# KiCad board IotKnob.kicad_pcb (continued)
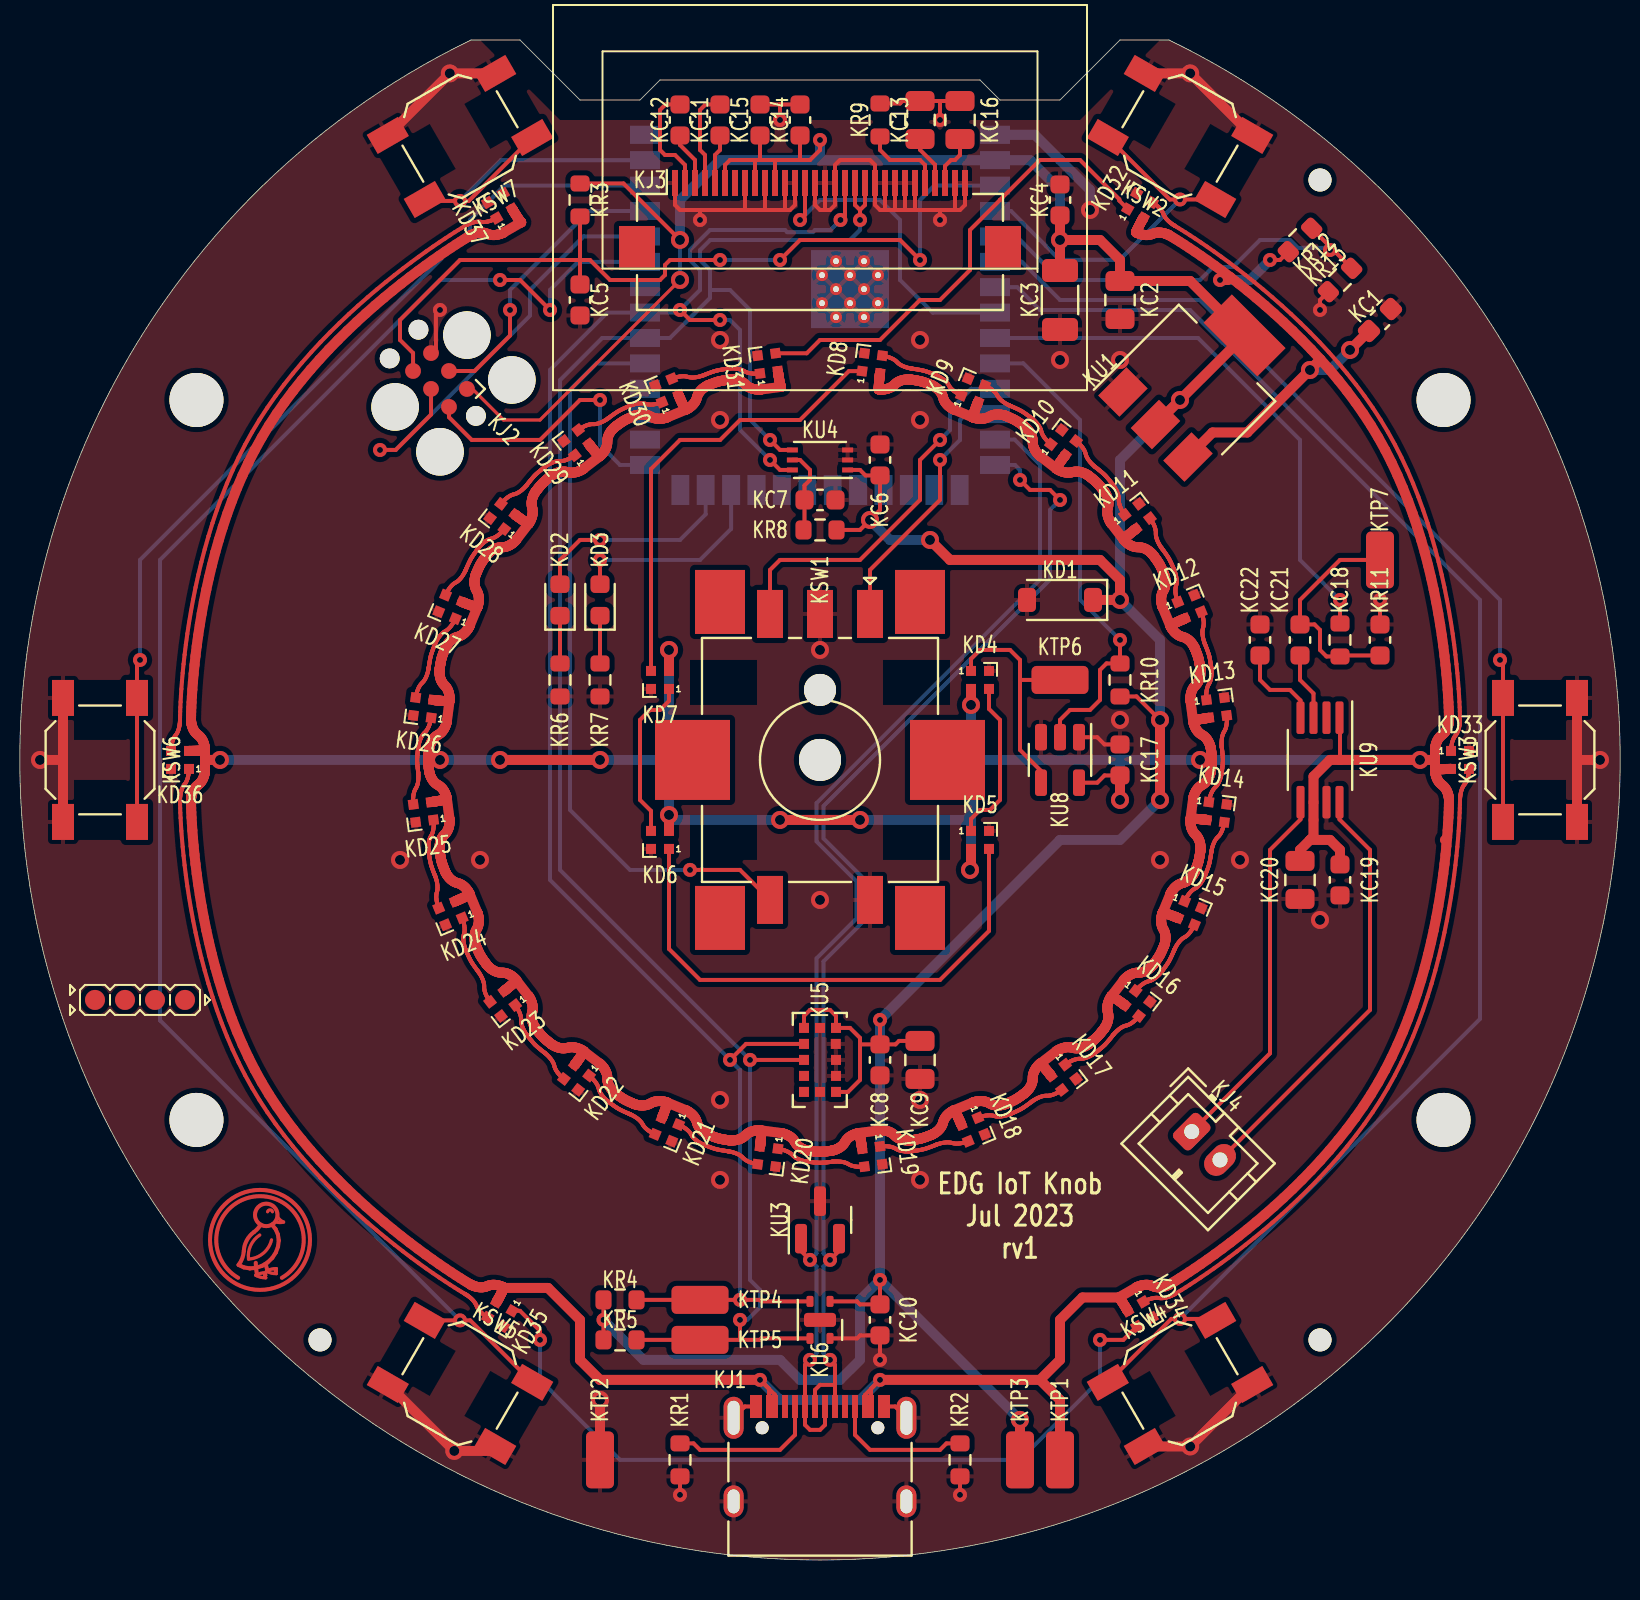
[diagram p0: board, top side]
## Routing (per net, layer and track width the routed paths; a pad name or vN(x,y) marks a point on that pad's centre or on a via; arc(x,y) is an arc through that point) (continued)
rgb_ring.led[11].dout: length 4.3
  Top w0.2: 19.53,19.66 19.5,19.66 19.42,19.66 19.38,19.66 19.35,19.66 19.28,19.67 19.25,19.67 19.21,19.68 19.18,19.69 19.14,19.69 19.11,19.7 19.07,19.71 19.03,19.72 19,19.73 18.97,19.75 18.94,19.76 18.91,19.78 18.88,19.79 18.85,19.81 18.81,19.83 18.75,19.86 18.72,19.87 18.68,19.88 18.65,19.89 18.61,19.9 18.58,19.9 18.54,19.91 18.5,19.92 18.47,19.92 18.43,19.92 18.37,19.93 18.34,19.93 18.25,19.93 18.17,19.92 18.15,19.92 18.13,19.92 18.09,19.92 18.07,19.92 18.07,19.92 18.06,19.91 18.05,19.91 18.03,19.91 18.02,19.91 18,19.91 17.98,19.9 17.94,19.9 17.92,19.9 17.9,19.9 17.85,19.89 17.82,19.89 17.77,19.88 17.74,19.88 17.71,19.88 17.57,19.87 17.5,19.86 17.47,19.86 17.45,19.86 17.43,19.86 17.4,19.86 17.33,19.87 17.19,19.88 17.16,19.88 17.13,19.88 17.08,19.89 17.05,19.89 17,19.9 16.98,19.9 16.96,19.9 16.92,19.9 16.9,19.91 16.88,19.91 16.87,19.91 16.85,19.91 16.84,19.91 16.83,19.92 16.81,19.92 16.77,19.93 16.73,19.93 16.71,19.94 16.66,19.95 16.63,19.96 16.57,19.97 16.54,19.98 16.51,19.99 16.48,20 16.44,20.02 16.41,20.03 16.38,20.04 16.34,20.06 16.31,20.07 16.28,20.09 16.25,20.11 16.22,20.13 16.19,20.15 16.16,20.17 16.13,20.19 16.11,20.22 16.06,20.27 16.03,20.29 16.01,20.31 15.98,20.33 15.95,20.35 15.92,20.37 15.89,20.39 15.85,20.41 15.82,20.42 15.79,20.44 15.76,20.45 15.72,20.47 15.69,20.48 15.66,20.49 15.63,20.5 15.57,20.52 15.54,20.53 15.51,20.53 15.48,20.54
rgb_ring.led[12].dout: length 4.3
  Top w0.2: 10.51,21.71 10.56,21.68 10.61,21.65 10.64,21.64 10.67,21.62 10.7,21.6 10.75,21.56 10.81,21.51 10.84,21.49 10.86,21.46 10.89,21.44 10.91,21.41 10.94,21.39 10.96,21.36 10.98,21.33 11,21.3 11.01,21.27 11.03,21.24 11.05,21.21 11.07,21.18 11.09,21.15 11.12,21.12 11.14,21.1 11.19,21.05 11.22,21.02 11.25,21 11.3,20.96 11.33,20.94 11.36,20.92 11.42,20.88 11.44,20.87 11.49,20.84 11.52,20.83 11.54,20.81 11.56,20.8 11.59,20.79 11.62,20.77 11.64,20.76 11.66,20.76 11.69,20.75 11.7,20.74 11.72,20.73 11.73,20.73 11.75,20.72 11.79,20.7 11.81,20.7 11.84,20.69 11.86,20.68 11.89,20.67 11.91,20.66 11.94,20.65 11.96,20.64 11.99,20.63 12.02,20.62 12.12,20.58 12.14,20.58 12.17,20.57 12.19,20.56 12.22,20.56 12.26,20.54 12.28,20.54 12.31,20.53 12.33,20.53 12.36,20.52 12.38,20.52 12.46,20.5 12.55,20.49 12.57,20.48 12.6,20.48 12.65,20.47 12.68,20.46 12.7,20.46 12.72,20.46 12.76,20.45 12.78,20.45 12.8,20.45 12.83,20.44 12.85,20.44 12.89,20.43 12.93,20.43 12.95,20.42 13.02,20.41 13.05,20.4 13.11,20.38 13.14,20.37 13.2,20.35 13.23,20.34 13.27,20.33 13.33,20.3 13.37,20.28 13.4,20.27 13.43,20.25 13.49,20.21 13.52,20.19 13.55,20.16 13.57,20.14 13.62,20.09 13.64,20.07 13.67,20.04 13.7,20.02 13.76,19.98 13.79,19.96 13.83,19.95 13.86,19.93 13.89,19.92 13.96,19.89 13.99,19.88 14.02,19.87 14.05,19.86 14.11,19.84 14.17,19.82 14.2,19.82
rgb_ring.led[13].dout: length 4.3
  Top w0.2: 6.01,24.13 6.03,24.11 6.05,24.09 6.07,24.07 6.12,24.02 6.16,23.97 6.18,23.95 6.23,23.89 6.25,23.86 6.27,23.83 6.29,23.8 6.31,23.77 6.32,23.74 6.34,23.71 6.35,23.67 6.37,23.64 6.38,23.61 6.38,23.57 6.39,23.54 6.4,23.5 6.41,23.47 6.43,23.44 6.44,23.41 6.46,23.37 6.48,23.34 6.5,23.31 6.54,23.25 6.56,23.22 6.58,23.2 6.63,23.14 6.65,23.12 6.69,23.07 6.73,23.03 6.75,23.02 6.79,22.98 6.81,22.97 6.83,22.95 6.86,22.92 6.88,22.91 6.89,22.9 6.9,22.9 6.91,22.89 6.92,22.88 6.94,22.86 6.95,22.85 6.99,22.83 7.03,22.8 7.05,22.78 7.09,22.75 7.14,22.72 7.16,22.7 7.23,22.66 7.27,22.63 7.3,22.61 7.32,22.6 7.34,22.59 7.36,22.57 7.38,22.56 7.4,22.55 7.42,22.54 7.46,22.52 7.53,22.48 7.56,22.47 7.59,22.46 7.66,22.42 7.71,22.4 7.73,22.39 7.78,22.37 7.8,22.36 7.84,22.34 7.88,22.32 7.89,22.32 7.93,22.3 7.94,22.3 7.97,22.28 8.02,22.26 8.06,22.24 8.08,22.23 8.12,22.21 8.15,22.19 8.2,22.16 8.26,22.12 8.29,22.1 8.32,22.08 8.34,22.06 8.37,22.03 8.4,22.01 8.43,21.99 8.45,21.96 8.48,21.93 8.5,21.91 8.52,21.88 8.54,21.85 8.56,21.82 8.58,21.79 8.59,21.76 8.61,21.73 8.63,21.7 8.66,21.67 8.7,21.62 8.73,21.59 8.76,21.57 8.78,21.54 8.81,21.52 8.84,21.5 8.87,21.48 8.9,21.46 8.95,21.42 9.01,21.39 9.03,21.37 9.08,21.35
rgb_ring.led[14].dout: length 4.3
  Top w0.2: 4.54,24.15 4.5,24.19 4.48,24.21 4.45,24.23 4.43,24.25 4.41,24.28 4.39,24.3 4.34,24.36 4.3,24.42 4.28,24.45 4.24,24.51 4.23,24.54 4.21,24.57 4.2,24.61 4.19,24.64 4.17,24.67 4.16,24.74 4.15,24.77 4.14,24.81 4.12,24.84 4.11,24.87 4.09,24.9 4.05,24.97 4.03,25 3.99,25.05 3.97,25.08 3.92,25.13 3.88,25.18 3.86,25.2 3.84,25.23 3.78,25.28 3.73,25.32 3.71,25.34 3.69,25.36 3.65,25.38 3.63,25.4 3.6,25.43 3.56,25.45 3.53,25.49 3.44,25.55 3.4,25.59 3.38,25.61 3.32,25.66 3.3,25.68 3.28,25.7 3.26,25.71 3.24,25.73 3.22,25.75 3.19,25.78 3.17,25.8 3.16,25.81 3.14,25.83 3.12,25.85 3.1,25.87 3.05,25.94 3.03,25.96 3,26 2.95,26.06 2.93,26.08 2.9,26.12 2.87,26.15 2.85,26.18 2.83,26.21 2.81,26.23 2.8,26.25 2.79,26.26 2.78,26.28 2.75,26.32 2.73,26.34 2.72,26.36 2.71,26.39 2.68,26.44 2.66,26.46 2.65,26.49 2.62,26.55 2.59,26.61 2.58,26.65 2.55,26.72 2.54,26.75 2.53,26.79 2.52,26.82 2.52,26.86 2.51,26.89 2.51,26.93 2.51,26.96 2.51,27.03 2.51,27.07 2.5,27.1 2.5,27.14 2.49,27.17 2.48,27.21 2.46,27.28 2.45,27.31 2.44,27.35 2.43,27.38 2.41,27.41 2.4,27.44 2.37,27.5 2.35,27.53 2.34,27.56 2.31,27.61 2.29,27.63
rgb_ring.led[15].dout: length 4.3
  Top w0.2: 0.87,28.03 0.86,28.06 0.83,28.11 0.81,28.13 0.8,28.16 0.78,28.19 0.77,28.22 0.75,28.25 0.74,28.28 0.73,28.32 0.71,28.35 0.7,28.39 0.68,28.46 0.67,28.49 0.67,28.53 0.66,28.56 0.66,28.6 0.66,28.63 0.66,28.67 0.66,28.7 0.66,28.74 0.66,28.77 0.65,28.81 0.64,28.84 0.64,28.88 0.63,28.91 0.62,28.95 0.6,28.98 0.59,29.01 0.56,29.08 0.55,29.11 0.53,29.14 0.5,29.2 0.49,29.23 0.46,29.28 0.43,29.32 0.42,29.34 0.41,29.36 0.4,29.37 0.38,29.4 0.37,29.42 0.35,29.43 0.35,29.44 0.34,29.45 0.33,29.47 0.32,29.48 0.31,29.49 0.3,29.51 0.27,29.54 0.24,29.58 0.23,29.6 0.2,29.65 0.16,29.69 0.15,29.72 0.1,29.78 0.07,29.83 0.06,29.85 0.04,29.87 0.03,29.89 0.02,29.92 0.01,29.93 -0.01,29.95 -0.02,29.98 -0.04,30.02 -0.08,30.09 -0.09,30.12 -0.1,30.14 -0.14,30.22 -0.16,30.27 -0.17,30.29 -0.19,30.34 -0.2,30.36 -0.22,30.4 -0.23,30.43 -0.24,30.45 -0.25,30.49 -0.26,30.5 -0.27,30.52 -0.27,30.53 -0.28,30.56 -0.3,30.59 -0.32,30.67 -0.32,30.69 -0.33,30.72 -0.34,30.75 -0.35,30.78 -0.35,30.81 -0.37,30.88 -0.38,30.95 -0.38,30.99 -0.38,31.06 -0.38,31.1 -0.38,31.13 -0.38,31.17 -0.37,31.2 -0.37,31.24 -0.36,31.27 -0.35,31.31 -0.34,31.34 -0.33,31.37 -0.33,31.41 -0.32,31.45 -0.32,31.48 -0.32,31.52 -0.32,31.55 -0.32,31.59 -0.33,31.66 -0.34,31.73 -0.34,31.77 -0.35,31.8 -0.36,31.86 -0.37,31.89 -0.38,31.92 -0.38,31.95 -0.39,31.97
rgb_ring.led[16].dout: length 4.3
  Top w0.2: -1.66,32.73 -1.67,32.76 -1.68,32.78 -1.69,32.81 -1.69,32.84 -1.7,32.87 -1.71,32.91 -1.72,32.97 -1.73,33.04 -1.73,33.12 -1.74,33.15 -1.74,33.19 -1.73,33.22 -1.73,33.26 -1.73,33.3 -1.72,33.33 -1.71,33.37 -1.7,33.4 -1.69,33.43 -1.69,33.47 -1.68,33.5 -1.68,33.54 -1.67,33.61 -1.67,33.64 -1.68,33.72 -1.68,33.79 -1.69,33.82 -1.69,33.86 -1.7,33.89 -1.71,33.92 -1.72,33.95 -1.72,33.98 -1.73,34.01 -1.74,34.04 -1.75,34.07 -1.76,34.11 -1.77,34.13 -1.78,34.16 -1.79,34.19 -1.8,34.21 -1.81,34.24 -1.81,34.26 -1.82,34.27 -1.83,34.29 -1.84,34.31 -1.85,34.35 -1.86,34.37 -1.87,34.39 -1.88,34.42 -1.89,34.44 -1.9,34.47 -1.91,34.49 -1.92,34.52 -1.93,34.54 -1.94,34.57 -1.97,34.68 -1.98,34.7 -1.99,34.72 -1.99,34.75 -2,34.77 -2.01,34.81 -2.02,34.84 -2.02,34.86 -2.03,34.89 -2.03,34.91 -2.04,34.94 -2.06,35.02 -2.07,35.1 -2.08,35.13 -2.08,35.16 -2.09,35.21 -2.09,35.23 -2.09,35.26 -2.1,35.28 -2.11,35.32 -2.11,35.34 -2.11,35.35 -2.11,35.38 -2.12,35.41 -2.12,35.43 -2.12,35.45 -2.12,35.47 -2.12,35.49 -2.13,35.58 -2.13,35.67 -2.13,35.7 -2.12,35.77 -2.12,35.84 -2.11,35.87 -2.11,35.91 -2.1,35.95 -2.09,35.98 -2.08,36.02 -2.06,36.08 -2.05,36.12 -2.03,36.15 -2.01,36.18 -2,36.21 -1.98,36.24 -1.96,36.27 -1.95,36.3 -1.93,36.34 -1.92,36.37 -1.9,36.44 -1.89,36.48 -1.89,36.51 -1.88,36.55 -1.87,36.62 -1.87,36.65 -1.86,36.72 -1.86,36.75 -1.86,36.84 -1.86,36.87
rgb_ring.led[17].dout: length 4.3
  Top w0.2: -2.02,41.97 -2.02,41.95 -2.03,41.92 -2.04,41.89 -2.06,41.83 -2.07,41.8 -2.08,41.77 -2.09,41.73 -2.1,41.7 -2.12,41.67 -2.13,41.64 -2.15,41.6 -2.16,41.57 -2.18,41.54 -2.2,41.51 -2.22,41.48 -2.24,41.45 -2.27,41.42 -2.29,41.4 -2.34,41.35 -2.36,41.32 -2.39,41.3 -2.41,41.27 -2.43,41.24 -2.45,41.21 -2.47,41.18 -2.48,41.14 -2.5,41.11 -2.51,41.08 -2.53,41.05 -2.54,41.01 -2.55,40.98 -2.56,40.95 -2.57,40.92 -2.58,40.89 -2.6,40.83 -2.61,40.8 -2.62,40.75 -2.63,40.71 -2.63,40.67 -2.64,40.64 -2.64,40.62 -2.64,40.61 -2.64,40.6 -2.65,40.59 -2.65,40.58 -2.65,40.56 -2.65,40.54 -2.66,40.5 -2.66,40.48 -2.66,40.45 -2.67,40.4 -2.67,40.38 -2.67,40.32 -2.68,40.3 -2.68,40.27 -2.69,40.13 -2.69,40.05 -2.69,40.03 -2.69,40.01 -2.69,39.98 -2.69,39.96 -2.69,39.88 -2.68,39.75 -2.68,39.72 -2.67,39.69 -2.67,39.64 -2.67,39.61 -2.66,39.56 -2.66,39.54 -2.66,39.51 -2.65,39.47 -2.65,39.45 -2.65,39.44 -2.65,39.42 -2.64,39.41 -2.64,39.4 -2.64,39.39 -2.64,39.35 -2.63,39.32 -2.63,39.31 -2.63,39.24 -2.63,39.21 -2.63,39.12 -2.63,39.09 -2.63,39.02 -2.64,38.99 -2.64,38.95 -2.65,38.92 -2.65,38.88 -2.66,38.85 -2.67,38.81 -2.68,38.78 -2.69,38.74 -2.7,38.71 -2.73,38.64 -2.74,38.61 -2.76,38.58 -2.78,38.55 -2.8,38.52 -2.81,38.49 -2.82,38.46 -2.84,38.42 -2.85,38.39 -2.86,38.35 -2.86,38.32 -2.87,38.28 -2.88,38.25 -2.88,38.21 -2.89,38.17 -2.89,38.11 -2.89,38.07 -2.89,38.04 -2.89,37.95 -2.89,37.93
rgb_ring.led[18].dout: length 4.3
  Top w0.2: -0.85,46.94 -0.87,46.9 -0.9,46.84 -0.92,46.82 -0.94,46.79 -0.96,46.76 -1,46.7 -1.04,46.65 -1.07,46.62 -1.09,46.59 -1.12,46.57 -1.14,46.54 -1.17,46.52 -1.2,46.5 -1.23,46.48 -1.26,46.46 -1.29,46.44 -1.32,46.43 -1.35,46.41 -1.38,46.39 -1.41,46.36 -1.43,46.34 -1.46,46.32 -1.51,46.26 -1.53,46.24 -1.56,46.21 -1.6,46.15 -1.62,46.12 -1.64,46.1 -1.67,46.04 -1.69,46.01 -1.72,45.96 -1.73,45.94 -1.74,45.92 -1.75,45.9 -1.77,45.86 -1.78,45.84 -1.79,45.81 -1.8,45.79 -1.81,45.77 -1.81,45.76 -1.82,45.74 -1.83,45.72 -1.84,45.71 -1.85,45.67 -1.86,45.64 -1.87,45.62 -1.88,45.6 -1.89,45.57 -1.9,45.55 -1.91,45.52 -1.92,45.49 -1.93,45.47 -1.94,45.44 -1.97,45.34 -1.98,45.31 -1.99,45.29 -1.99,45.26 -2,45.24 -2.01,45.2 -2.02,45.18 -2.02,45.15 -2.03,45.13 -2.03,45.1 -2.04,45.07 -2.06,44.99 -2.07,44.91 -2.08,44.88 -2.08,44.86 -2.09,44.8 -2.09,44.78 -2.09,44.76 -2.1,44.73 -2.11,44.69 -2.11,44.68 -2.11,44.66 -2.11,44.63 -2.12,44.61 -2.12,44.56 -2.13,44.53 -2.13,44.51 -2.15,44.43 -2.16,44.41 -2.17,44.35 -2.18,44.32 -2.2,44.25 -2.22,44.22 -2.23,44.19 -2.26,44.12 -2.27,44.09 -2.29,44.06 -2.31,44.03 -2.35,43.97 -2.37,43.94 -2.39,43.91 -2.42,43.88 -2.47,43.84 -2.49,43.81 -2.51,43.78 -2.53,43.76 -2.58,43.7 -2.59,43.66 -2.61,43.63 -2.63,43.6 -2.64,43.57 -2.67,43.5 -2.68,43.47 -2.69,43.44 -2.7,43.4 -2.72,43.34 -2.73,43.29 -2.74,43.26
rgb_ring.led[19].dout: length 4.3
  Top w0.2: -1.21,48.38 -1.18,48.42 -1.17,48.45 -1.13,48.5 -1.1,48.56 -1.08,48.59 -1.06,48.62 -1.03,48.64 -1.01,48.67 -0.99,48.7 -0.96,48.73 -0.94,48.75 -0.88,48.8 -0.86,48.82 -0.83,48.84 -0.8,48.86 -0.77,48.88 -0.74,48.89 -0.71,48.91 -0.68,48.93 -0.65,48.96 -0.62,48.98 -0.6,49 -0.57,49.03 -0.55,49.06 -0.52,49.08 -0.5,49.11 -0.48,49.14 -0.46,49.17 -0.42,49.22 -0.4,49.25 -0.37,49.31 -0.35,49.33 -0.32,49.38 -0.31,49.4 -0.29,49.44 -0.28,49.47 -0.27,49.48 -0.26,49.51 -0.25,49.53 -0.24,49.56 -0.23,49.58 -0.22,49.61 -0.2,49.65 -0.19,49.68 -0.17,49.72 -0.16,49.75 -0.14,49.8 -0.1,49.87 -0.09,49.9 -0.08,49.92 -0.04,49.99 -0.02,50.04 -0.01,50.06 0.01,50.08 0.02,50.1 0.03,50.12 0.04,50.14 0.06,50.16 0.1,50.23 0.15,50.3 0.16,50.32 0.2,50.36 0.23,50.41 0.24,50.43 0.27,50.47 0.3,50.5 0.31,50.52 0.32,50.53 0.33,50.55 0.34,50.56 0.35,50.57 0.36,50.59 0.37,50.61 0.39,50.63 0.41,50.65 0.43,50.67 0.46,50.7 0.48,50.72 0.52,50.76 0.56,50.81 0.59,50.83 0.64,50.87 0.67,50.9 0.7,50.92 0.76,50.96 0.79,50.98 0.82,51 0.85,51.01 0.88,51.03 0.92,51.04 0.95,51.05 0.98,51.06 1.02,51.07 1.05,51.08 1.08,51.09 1.12,51.1 1.15,51.12 1.18,51.13 1.21,51.15 1.25,51.17 1.28,51.19 1.31,51.21 1.34,51.23 1.39,51.27 1.42,51.29 1.47,51.34 1.51,51.38 1.53,51.4 1.55,51.42 1.57,51.44
rgb_ring.led[20].dout: length 4.3
  Top w0.2: 1.59,52.92 1.63,52.96 1.65,52.98 1.67,53 1.7,53.02 1.72,53.05 1.75,53.07 1.8,53.11 1.86,53.16 1.89,53.18 1.95,53.21 1.98,53.23 2.02,53.25 2.05,53.26 2.08,53.27 2.12,53.28 2.18,53.3 2.22,53.31 2.25,53.32 2.28,53.34 2.32,53.35 2.35,53.37 2.41,53.41 2.44,53.43 2.5,53.47 2.53,53.49 2.58,53.53 2.63,53.58 2.65,53.6 2.67,53.62 2.72,53.68 2.77,53.73 2.78,53.75 2.8,53.77 2.83,53.8 2.85,53.83 2.87,53.86 2.9,53.89 2.93,53.93 3,54.01 3.03,54.06 3.05,54.08 3.1,54.14 3.12,54.16 3.14,54.18 3.16,54.2 3.17,54.22 3.19,54.23 3.22,54.27 3.24,54.28 3.26,54.3 3.28,54.32 3.3,54.33 3.32,54.35 3.38,54.41 3.4,54.42 3.44,54.46 3.51,54.51 3.53,54.53 3.56,54.56 3.6,54.59 3.63,54.61 3.65,54.63 3.67,54.64 3.69,54.66 3.7,54.66 3.72,54.68 3.77,54.71 3.78,54.72 3.81,54.74 3.83,54.75 3.88,54.78 3.91,54.79 3.93,54.81 3.99,54.84 4.06,54.87 4.09,54.88 4.16,54.91 4.19,54.92 4.23,54.93 4.26,54.93 4.3,54.94 4.34,54.95 4.37,54.95 4.41,54.95 4.48,54.95 4.51,54.95 4.55,54.95 4.58,54.96 4.62,54.96 4.65,54.97 4.72,54.99 4.76,55 4.79,55.02 4.82,55.03 4.85,55.04 4.89,55.06 4.95,55.09 4.97,55.1 5,55.12 5.05,55.15 5.07,55.16
rgb_ring.led[21].dout: length 4.3
  Top w0.2: 5.48,56.58 5.5,56.6 5.55,56.63 5.58,56.64 5.6,56.66 5.63,56.67 5.66,56.69 5.7,56.7 5.73,56.72 5.76,56.73 5.8,56.74 5.83,56.75 5.9,56.77 5.93,56.78 5.97,56.79 6.01,56.79 6.04,56.8 6.08,56.8 6.11,56.8 6.14,56.8 6.18,56.8 6.22,56.8 6.25,56.81 6.28,56.81 6.32,56.82 6.36,56.83 6.39,56.84 6.42,56.85 6.46,56.87 6.52,56.89 6.56,56.91 6.59,56.92 6.64,56.95 6.67,56.97 6.72,57 6.76,57.02 6.78,57.04 6.8,57.05 6.82,57.06 6.84,57.08 6.86,57.09 6.88,57.1 6.89,57.11 6.9,57.12 6.91,57.13 6.92,57.14 6.94,57.15 6.95,57.16 6.99,57.19 7.03,57.21 7.05,57.23 7.09,57.26 7.14,57.29 7.16,57.31 7.23,57.36 7.27,57.39 7.3,57.4 7.32,57.41 7.34,57.43 7.36,57.44 7.38,57.45 7.4,57.46 7.42,57.47 7.46,57.5 7.53,57.53 7.56,57.55 7.59,57.56 7.66,57.59 7.71,57.62 7.73,57.63 7.78,57.65 7.8,57.66 7.84,57.67 7.88,57.69 7.89,57.7 7.93,57.71 7.94,57.72 7.96,57.72 7.97,57.73 8,57.74 8.04,57.75 8.11,57.77 8.14,57.78 8.17,57.79 8.2,57.8 8.23,57.8 8.26,57.81 8.33,57.82 8.4,57.83 8.43,57.84 8.5,57.84 8.54,57.84 8.58,57.84 8.61,57.84 8.65,57.83 8.68,57.82 8.72,57.82 8.75,57.81 8.78,57.8 8.82,57.79 8.85,57.78 8.89,57.78 8.92,57.78 8.96,57.78 9,57.78 9.03,57.78 9.11,57.78 9.17,57.79 9.21,57.8 9.24,57.8 9.31,57.82 9.34,57.83 9.37,57.83 9.39,57.84 9.42,57.85
rgb_ring.led[22].dout: length 4.3
  Top w0.2: 10.17,59.12 10.2,59.13 10.23,59.13 10.26,59.14 10.29,59.15 10.32,59.16 10.35,59.16 10.42,59.18 10.49,59.19 10.56,59.19 10.6,59.19 10.63,59.19 10.67,59.19 10.7,59.19 10.74,59.18 10.77,59.18 10.81,59.17 10.84,59.16 10.88,59.15 10.91,59.14 10.95,59.14 10.98,59.13 11.05,59.13 11.09,59.13 11.16,59.13 11.23,59.14 11.27,59.15 11.3,59.15 11.33,59.16 11.37,59.16 11.4,59.17 11.43,59.18 11.46,59.19 11.48,59.2 11.51,59.2 11.56,59.22 11.58,59.22 11.61,59.24 11.63,59.24 11.66,59.25 11.69,59.27 11.7,59.27 11.72,59.28 11.73,59.28 11.75,59.29 11.79,59.31 11.81,59.32 11.84,59.33 11.86,59.34 11.89,59.34 11.91,59.35 11.94,59.36 11.96,59.37 11.99,59.38 12.02,59.39 12.12,59.43 12.14,59.44 12.17,59.44 12.19,59.45 12.22,59.46 12.26,59.47 12.28,59.48 12.31,59.48 12.33,59.49 12.36,59.49 12.38,59.5 12.46,59.51 12.55,59.53 12.57,59.53 12.6,59.54 12.65,59.54 12.68,59.55 12.7,59.55 12.72,59.56 12.76,59.56 12.78,59.56 12.8,59.57 12.83,59.57 12.85,59.57 12.87,59.58 12.89,59.58 12.91,59.58 12.93,59.58 13.03,59.59 13.11,59.59 13.15,59.58 13.21,59.58 13.28,59.57 13.32,59.57 13.35,59.56 13.39,59.55 13.42,59.55 13.46,59.54 13.53,59.52 13.56,59.5 13.59,59.49 13.62,59.47 13.65,59.45 13.68,59.43 13.72,59.42 13.75,59.4 13.78,59.39 13.81,59.38 13.88,59.36 13.92,59.35 13.95,59.34 13.99,59.34 14.06,59.33 14.09,59.32 14.16,59.32 14.19,59.32 14.28,59.32 14.31,59.32
rgb_shift.output: length 12
  Top w0.2: KTP6.1 27.45,44.01 ; 27.45,44.01 27.45,40.51 28.5,39.46 KU8.4 ; 27.45,44.01 27.45,45.01 26.95,45.51 25.45,45.51 25,45.06 KD4.1
rgb_sw.led[0].dout: length 33
  Top w0.2: 49.01,40.6 49.01,40.65 49.02,40.68 49.03,40.75 49.03,40.78 49.04,40.81 49.05,40.84 49.06,40.88 49.08,40.95 49.09,40.98 49.1,41.02 49.11,41.05 49.13,41.08 49.15,41.11 49.16,41.15 49.18,41.18 49.2,41.2 49.25,41.26 49.27,41.29 49.29,41.32 49.3,41.35 49.32,41.38 49.33,41.41 49.35,41.45 49.36,41.48 49.37,41.52 49.39,41.58 49.4,41.62 49.41,41.65 49.42,41.69 49.42,41.72 49.43,41.78 49.44,41.81 49.44,41.86 49.45,41.91 49.45,41.97 49.45,41.98 49.45,42.01 49.45,42.03 49.45,42.11 49.45,42.24 49.44,42.42 49.43,42.64 49.42,42.9 49.4,43.21 49.38,43.56 49.35,43.94 49.32,44.35 49.27,44.8 49.22,45.28 49.16,45.78 49.08,46.31 49,46.86 48.9,47.44 48.79,48.03 48.67,48.64 48.54,49.26 48.38,49.9 48.21,50.54 48.03,51.19 47.83,51.85 47.61,52.51 47.36,53.17 47.11,53.83 46.82,54.48 46.52,55.13 46.2,55.77 45.85,56.4 45.48,57.02 45.08,57.62 44.67,58.21 44.25,58.78 43.81,59.33 43.36,59.87 42.89,60.39 42.43,60.9 41.95,61.38 41.48,61.85 41.01,62.3 40.54,62.73 40.07,63.14 39.61,63.53 39.16,63.9 38.73,64.25 38.3,64.58 37.9,64.88 37.51,65.17 37.15,65.43 36.81,65.67 36.49,65.89 36.2,66.08 35.95,66.25 35.72,66.39 35.53,66.51 35.27,66.67 35.2,66.71 35.18,66.72 35.16,66.73 35.12,66.76 35.06,66.8 35.04,66.81 35.02,66.83 35,66.85 34.97,66.87 34.92,66.91 34.89,66.93 34.87,66.96 34.82,67.01 34.8,67.03 34.75,67.09 34.73,67.12 34.7,67.15 34.69,67.18 34.67,67.21 34.65,67.24 34.64,67.27 34.62,67.3 34.61,67.33 34.6,67.37 34.58,67.4 34.56,67.43 34.54,67.46 34.52,67.49 34.5,67.52 34.48,67.54 34.45,67.57 34.4,67.62 34.38,67.65 34.35,67.67 34.3,67.72 34.23,67.77 34.2,67.79 34.18,67.81
rgb_sw.led[1].dout: length 33
  Top w0.2: 33.74,12.97 33.77,12.98 33.79,12.99 33.82,13.01 33.85,13.02 33.88,13.03 33.91,13.04 33.94,13.05 33.98,13.06 34.01,13.07 34.04,13.08 34.08,13.09 34.11,13.09 34.15,13.1 34.19,13.11 34.22,13.11 34.26,13.11 34.29,13.11 34.33,13.11 34.36,13.11 34.4,13.1 34.43,13.1 34.47,13.09 34.5,13.09 34.54,13.09 34.58,13.09 34.61,13.1 34.65,13.1 34.68,13.11 34.72,13.11 34.75,13.12 34.79,13.13 34.82,13.14 34.86,13.15 34.89,13.16 34.92,13.17 34.95,13.18 35,13.21 35.03,13.22 35.06,13.23 35.08,13.24 35.12,13.26 35.16,13.28 35.18,13.29 35.18,13.29 35.2,13.31 35.27,13.35 35.53,13.51 35.72,13.62 35.95,13.77 36.2,13.94 36.49,14.13 36.81,14.34 37.15,14.58 37.51,14.84 37.9,15.13 38.3,15.43 38.73,15.76 39.16,16.11 39.61,16.48 40.07,16.87 40.54,17.28 41.01,17.71 41.48,18.16 41.95,18.63 42.43,19.12 42.89,19.62 43.36,20.14 43.81,20.68 44.25,21.24 44.67,21.81 45.08,22.39 45.48,22.99 45.85,23.61 46.2,24.24 46.52,24.88 46.82,25.53 47.11,26.19 47.36,26.84 47.61,27.5 47.83,28.16 48.03,28.82 48.21,29.47 48.38,30.12 48.54,30.75 48.67,31.37 48.79,31.98 48.9,32.58 49,33.15 49.08,33.7 49.16,34.23 49.22,34.74 49.27,35.21 49.32,35.66 49.35,36.08 49.38,36.46 49.4,36.8 49.42,37.11 49.43,37.37 49.44,37.6 49.45,37.77 49.45,37.9 49.45,37.98 49.45,38.02 49.45,38.03 49.45,38.05 49.45,38.1 49.46,38.15 49.46,38.2 49.47,38.23 49.48,38.3 49.48,38.33 49.49,38.36 49.5,38.39 49.51,38.43 49.53,38.5 49.54,38.53 49.55,38.57 49.57,38.6 49.58,38.63 49.6,38.66 49.61,38.7 49.63,38.73 49.65,38.75 49.7,38.81 49.72,38.84 49.74,38.87 49.75,38.9 49.77,38.93 49.79,38.96 49.8,39 49.81,39.03 49.82,39.07 49.84,39.13 49.85,39.17 49.86,39.2 49.87,39.24 49.87,39.27 49.88,39.33 49.89,39.36 49.89,39.41
rgb_sw.led[2].dout: length 39.7
  Top w0.2: KD35.1 2.45,12.46 3.45,11.46 v2(3.45,11.01) ; v2(31.45,11.01) 32.61,11.01 KD34.3
  Bottom w0.2: v2(31.45,11.01) 31.45,9.01 27.45,5.01 7.45,5.01 3.45,9.01 v2(3.45,11.01)
rgb_sw.led[3].dout: length 33
  Top w0.2: -14.11,39.41 -14.11,39.36 -14.12,39.33 -14.13,39.27 -14.13,39.24 -14.14,39.2 -14.15,39.17 -14.16,39.13 -14.18,39.07 -14.19,39.03 -14.2,39 -14.22,38.96 -14.23,38.93 -14.25,38.9 -14.26,38.87 -14.28,38.84 -14.3,38.81 -14.35,38.75 -14.37,38.73 -14.39,38.7 -14.4,38.66 -14.42,38.63 -14.44,38.6 -14.45,38.57 -14.46,38.53 -14.47,38.5 -14.49,38.43 -14.5,38.39 -14.51,38.36 -14.52,38.33 -14.52,38.3 -14.53,38.23 -14.54,38.2 -14.54,38.15 -14.55,38.1 -14.55,38.05 -14.55,38.03 -14.55,38.01 -14.55,37.98 -14.55,37.9 -14.55,37.77 -14.54,37.6 -14.53,37.37 -14.52,37.11 -14.5,36.8 -14.48,36.46 -14.45,36.08 -14.42,35.66 -14.37,35.21 -14.32,34.74 -14.26,34.23 -14.18,33.7 -14.1,33.15 -14,32.58 -13.89,31.98 -13.77,31.37 -13.63,30.75 -13.48,30.12 -13.31,29.47 -13.13,28.82 -12.93,28.16 -12.7,27.5 -12.47,26.84 -12.2,26.19 -11.92,25.53 -11.62,24.88 -11.3,24.24 -10.95,23.61 -10.58,22.99 -10.18,22.39 -9.77,21.81 -9.35,21.24 -8.91,20.68 -8.45,20.14 -7.99,19.62 -7.53,19.12 -7.05,18.63 -6.58,18.16 -6.11,17.71 -5.64,17.28 -5.17,16.87 -4.71,16.48 -4.26,16.11 -3.83,15.76 -3.4,15.43 -3,15.13 -2.61,14.84 -2.25,14.58 -1.91,14.34 -1.59,14.13 -1.3,13.94 -1.05,13.77 -0.82,13.62 -0.63,13.51 -0.37,13.35 -0.3,13.31 -0.28,13.29 -0.26,13.28 -0.22,13.25 -0.16,13.22 -0.14,13.2 -0.12,13.18 -0.09,13.16 -0.07,13.15 -0.02,13.1 0.01,13.08 0.03,13.06 0.08,13.01 0.11,12.98 0.15,12.93 0.17,12.9 0.2,12.87 0.22,12.84 0.23,12.81 0.25,12.78 0.26,12.74 0.28,12.71 0.29,12.68 0.3,12.65 0.32,12.62 0.34,12.58 0.36,12.55 0.38,12.53 0.4,12.5 0.42,12.47 0.45,12.44 0.5,12.39 0.52,12.37 0.55,12.34 0.6,12.3 0.67,12.24 0.7,12.22 0.72,12.21
rgb_sw.led[4].dout: length 33
  Top w0.2: -14.99,40.6 -14.99,40.65 -14.98,40.68 -14.97,40.75 -14.97,40.78 -14.96,40.81 -14.95,40.84 -14.94,40.88 -14.92,40.95 -14.91,40.98 -14.9,41.02 -14.88,41.05 -14.87,41.08 -14.85,41.11 -14.84,41.15 -14.82,41.18 -14.8,41.2 -14.75,41.26 -14.73,41.29 -14.71,41.32 -14.7,41.35 -14.68,41.38 -14.66,41.41 -14.65,41.45 -14.64,41.48 -14.63,41.52 -14.61,41.58 -14.6,41.62 -14.59,41.65 -14.58,41.69 -14.58,41.72 -14.57,41.78 -14.56,41.81 -14.56,41.86 -14.55,41.91 -14.55,41.97 -14.55,41.98 -14.55,42.01 -14.55,42.03 -14.55,42.11 -14.55,42.24 -14.54,42.42 -14.53,42.64 -14.52,42.9 -14.5,43.21 -14.48,43.56 -14.45,43.94 -14.42,44.35 -14.37,44.8 -14.32,45.28 -14.26,45.78 -14.18,46.31 -14.1,46.86 -14,47.44 -13.89,48.03 -13.77,48.64 -13.63,49.26 -13.48,49.9 -13.31,50.54 -13.13,51.19 -12.93,51.85 -12.7,52.51 -12.47,53.17 -12.2,53.83 -11.92,54.48 -11.62,55.13 -11.3,55.77 -10.95,56.4 -10.58,57.02 -10.18,57.62 -9.77,58.21 -9.35,58.78 -8.91,59.33 -8.45,59.87 -7.99,60.39 -7.53,60.9 -7.05,61.38 -6.58,61.85 -6.11,62.3 -5.64,62.73 -5.17,63.14 -4.71,63.53 -4.26,63.9 -3.83,64.25 -3.4,64.58 -3,64.88 -2.61,65.17 -2.25,65.43 -1.91,65.67 -1.59,65.89 -1.3,66.08 -1.05,66.25 -0.82,66.39 -0.63,66.51 -0.37,66.67 -0.3,66.71 -0.28,66.72 -0.23,66.75 -0.18,66.77 -0.16,66.78 -0.13,66.79 -0.1,66.81 -0.05,66.83 -0.02,66.84 0.01,66.85 0.05,66.86 0.08,66.87 0.11,66.88 0.15,66.89 0.18,66.9 0.22,66.91 0.25,66.91 0.29,66.92 0.33,66.92 0.36,66.92 0.4,66.92 0.43,66.92 0.47,66.92 0.5,66.91 0.54,66.91 0.57,66.9 0.61,66.9 0.64,66.9 0.68,66.9 0.71,66.91 0.75,66.91 0.79,66.92 0.82,66.93 0.86,66.93 0.89,66.94 0.92,66.95 0.96,66.96 0.99,66.97 1.02,66.98 1.05,67 1.08,67.01 1.11,67.02 1.13,67.03 1.16,67.04
spk_dac.input: length 27.4
  Top w0.2: KR11.1 v2(43.45,48.01)
  Bottom w0.2: v2(43.45,48.01) 41.45,50.01 41.45,56.01 36.35,61.11 KU2.9
spk_dac.output: length 11.3
  Top w0.2: KTP7.1 43.45,50.01 41.45,48.01 KC21.2 42.17,46.78 42.45,46.51 42.45,45.51 42.78,45.18 KR11.2 ; KC18.1 43.5,45.23
spk_drv.inn_cap.pos: length 4.5
  Top w0.2: KU9.4 41.48,42.98 40.95,43.51 39.95,43.51 39.45,44.01 KC22.1
spk_drv.inp_cap.pos: length 3.4
  Top w0.2: KC21.1 41.45,44.01 42.12,43.33 KU9.3
spk_drv.spk.a: length 18.7
  Top w0.2: KJ4.1 39.95,25.33 39.95,35.51 41.48,37.03 KU9.5
spk_drv.spk.b: length 21.6
  Top w0.2: KU9.8 43.42,37.03 44.95,35.51 44.95,27.51 KJ4.2
sw[0].out: length 18.2
  Top w0.2: KSW2.1 34.94,68.03 KSW2.1
  Bottom w0.2: KU2.4 27,67.46 28.74,65.72 28.74,65.71 29.43,65.02 32.44,65.02 v2(35.45,68.03)
sw[1].out: length 43.4
  Top w0.2: v2(51.45,45.01) 51.6,44.86 KSW3.1 KSW3.1
  Bottom w0.2: KU2.6 27.54,64.92 29.45,63.01 36.45,63.01 51.45,48.01 v2(51.45,45.01)
sw[2].out: length 79.5
  Top w0.2: KSW4.1 35.01,12.06 37.12,12.06
  Bottom w0.2: v2(35.45,12.06) 50.45,27.06 50.45,48.01 35.95,62.51 28.45,62.51 27.31,63.65 KU2.7
sw[3].out: length 83.1
  Top w0.2: KSW5.1 -0.04,11.98 KSW5.1 ; v2(1.45,64.01) 2.45,64.01 v2(3.95,62.51)
  Bottom w0.2: KU2.35 5.36,64.92 3.95,63.51 v2(3.95,62.51) ; v2(1.45,64.01) -1.55,64.01 -15.55,50.01 -15.55,26.98 v2(-0.55,11.98)
sw[4].out: length 46.5
  Top w0.2: KSW6.1 KSW6.1 -16.7,44.86 v2(-16.55,45.01)
  Bottom w0.2: KU2.38 1.67,68.73 -0.05,67.01 -0.05,66.51 -16.55,50.01 v2(-16.55,45.01)
sw[5].out: length 16.7
  Top w0.2: -2.22,67.96 -0.11,67.96 KSW7.1
  Bottom w0.2: v2(-0.55,67.96) 1.49,70 KU2.39
usb.conn.A5: length 7.6
  Top w0.2: KR1.2 11.12,5.83 11.45,5.51 15.45,5.51 16.2,6.26 KJ1.A5
usb.conn.B5: length 7.1
  Top w0.2: KR2.2 23.78,5.83 23.45,5.51 19.95,5.51 19.2,6.26 KJ1.B5
usb_chain_0.d_N: length 60.3
  Top w0.2: KJ1.A7 17.7,6.76 17.45,6.51 16.95,6.51 16.7,6.76 KJ1.B7 16.7,9.76 v2(16.95,10.01) ; 16.5,15.46 v2(16.95,15.01)
  Bottom w0.2: KU2.13 27.18,56.03 28.45,54.76 28.45,49.02 17.28,37.85 17.28,35.93 19.28,33.93 19.28,32.08 17.28,30.08 17.28,15.33 v2(16.95,15.01) 17.28,14.68 17.28,10.33 v2(16.95,10.01)
usb_chain_0.d_P: length 59.2
  Top w0.2: KJ1.B6 18.2,8.76 ; 18.2,8.76 18.2,9.76 v2(17.95,10.01) ; 18.2,8.76 17.45,8.76 17.2,8.51 KJ1.A6 ; v2(27.45,54.01) 27.95,53.51 28.95,53.51 v2(29.45,53.01) ; 18.4,15.46 v2(17.95,15.01)
  Bottom w0.2: v2(29.45,53.01) 28.95,52.51 28.95,49.03 17.62,37.7 17.62,36.08 19.62,34.08 19.62,31.93 17.62,29.93 17.62,15.33 v2(17.95,15.01) 17.62,14.68 17.62,10.33 v2(17.95,10.01) ; KU2.14 27.2,54.76 27.45,54.51 v2(27.45,54.01)
vusb: length 455.4
  Top w0.2: 43.45,42.09 43.45,40.01 ; KJ1.B4 19.7,8.26 v2(20.45,9.01) 20,8.56 KJ1.A9 ; v2(39.95,65.01) 40.45,65.01 KR12.1 ; KJ1.B9 15.2,8.26 v2(14.45,9.01) 14.9,8.56 KJ1.A4 ; KU8.5 31.31,38.87 31.67,39.23 KC17.1